# Altium PCB RPIadaptor1.PcbDoc (part 2 of 2)
Units mm, origin at the board's own origin, x right, y up, seen from the top; angles counter-clockwise.
Board outline 106 x 56 mm, 4 copper layers (Top Layer, Ground, 3V3P, Bottom Layer), stack 1.578 mm thick; 78 components, 84 nets, 535 pads, 369 vias.
Unrouted connection lines stored in the file: 8.
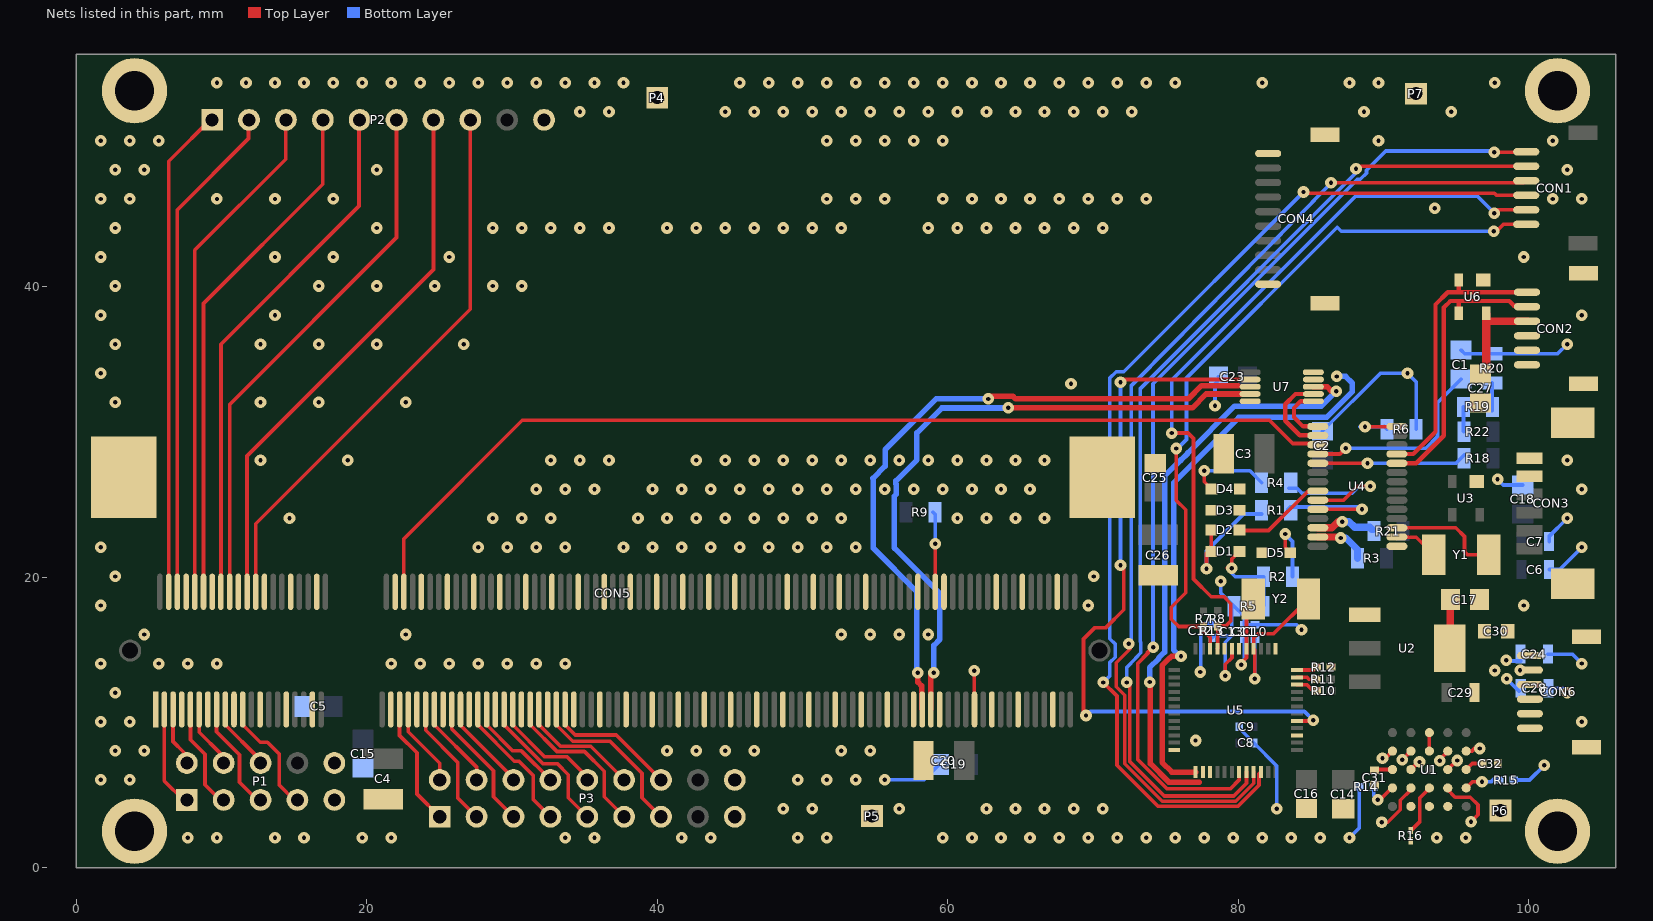
[diagram p4: the nets of this part, all layers, seen from the top]

## Via types
v1: diameter 0.8, hole 0.3, Top Layer to Bottom Layer, 369 vias

## Nets (pads, with @x,y where several pads share a name; then routed paths per layer and width w, separated by ;. In a path a pad name is that pad's centre, name@x,y a point inside that pad or via, vN(x,y) a via of type N, cw(c..) or ccw(c..) an arc to the next point about the centre after c; other vN are vias at no path point) (continued)
GND: C1.2 C2.2 C3.2 C4.2 C5.2 C6.1 C7.1 C8.2 C9.2 C10.2 C11.2 C12.2 C13.2 C14.1 C15.2 C16.2 C17.2 C18.2 C19.2 C20.2 C23.1 C24.1 C25.2 C26.2 C27.2 C28.1 C29.1 C30.1 C31.1 C32.1 CON2.4 CON2.5 CON2.6 CON2.GND CON3.5 CON3.6 CON3.GND CON4.10 CON4.GND CON5.1 CON5.7 CON5.8 CON5.13 CON5.14 CON5.19 CON5.20 CON5.25 CON5.26 CON5.31 CON5.32 CON5.37 CON5.38 CON5.43 CON5.44 CON5.49 CON5.50 CON5.55 CON5.56 CON5.61 CON5.62 CON5.67 CON5.68 CON5.73 CON5.74 CON5.79 CON5.80 CON5.85 CON5.86 CON5.91 CON5.92 CON5.97 CON5.98 CON5.103 CON5.104 CON5.109 CON5.110 CON5.115 CON5.116 CON5.121 CON5.122 CON5.127 CON5.133 CON5.134 CON5.139 CON5.140 CON5.145 CON5.146 CON5.151 CON5.152 CON5.157 CON5.163 CON5.164 CON5.169 CON5.170 CON5.181 CON5.182 CON5.187 CON5.188 CON5.195 CON5.196 CON5.GND CON6.4 CON6.5 CON6.6 CON6.GND D5.2 P1.9 P1.10 P2.10 P3.17 P3.18 P4.1 P5.1 P6.1 P7.1 pad.MH1 R5.2 R6.2 R12.1 R14.2 R15.2 R16.2 R20.2 U1.B5 U1.C1 U1.C2 U1.C5 U1.D5 U2.3 U3.1 U4.1 U5.1 U5.6 U5.8 U5.24 U5.27 U5.39 U6.1 U7.5 U7.10 | length 62.9
  Top Layer w0.254: U1.C2@93.175,8.02 U1.C1@93.175,9.29
  Bottom Layer w0.254: v1(55.675,6.05) 58.388,6.05 C19.2@59.447,7.109 ; v1(77.4,13.467) 77.425,13.492 C12.2@77.425,16.05 ; v1(78.418,31.8) 78.418,33.318 78.775,33.675 C23.1@78.65,33.8 ; v1(78.8,19.72) 78.8,18.927 R5.2@79.725,18.002 ; C13.2@79.575,16.475 79.575,17.852 R5.2@79.725,18.002 ; C9.2@80.077,9.7 80.077,9.597 C8.2@81.083,8.59 82.675,6.998 v1(82.675,4.05) ; v1(84.375,16.375) 84.017,16.733 C10.2@81.175,16.733 C11.2@80.425,16.733 80.425,17.302 R5.2@79.725,18.002 ; C2.2@85.805,30.051 89.804,34.05 v1(91.675,34.05) 92.266,33.459 R6.2@92.266,30.194 ; v1(87.675,2.05) 88.347,2.722 R14.2@88.347,5.565 ; C1.2@95.355,35.639 95.609,35.385 R20.2@97.514,35.385 102.01,35.385 v1(102.675,36.05) ; v1(97.875,26.747) 98.272,26.35 C18.2@99.61,26.35 ; R15.2@98.988,6.025 100.075,6.025 v1(101.1,7.05) ; C24.1@101.35,14.7 103.025,14.7 v1(103.675,14.05) ; C28.1@101.375,12.35 102.375,12.35 v1(102.675,12.05) ; C6.1@101.425,20.525 102.15,20.525 v1(103.675,22.05) ; C7.1@101.425,22.45 101.425,22.8 v1(102.675,24.05)
  other v1: 7.675,2.05 9.675,2.05 13.675,2.05 15.675,2.05 19.675,2.05 21.675,2.05 33.675,2.05 35.675,2.05 41.675,2.05 43.675,2.05 49.675,2.05 51.675,2.05 59.675,2.05 61.675,2.05 63.675,2.05 65.675,2.05 67.675,2.05 69.675,2.05 71.675,2.05 73.675,2.05 75.675,2.05 77.675,2.05 79.675,2.05 81.675,2.05 83.675,2.05 85.675,2.05 93.675,2.05 95.675,2.05 48.675,4.05 50.675,4.05 56.675,4.05 62.675,4.05 64.675,4.05 66.675,4.05 68.675,4.05 70.675,4.05 1.675,6.05 3.675,6.05 49.675,6.05 51.675,6.05 53.675,6.05 2.675,8.05 4.675,8.05 40.675,8.05 42.675,8.05 44.675,8.05 46.675,8.05 52.675,8.05 54.675,8.05 77.075,8.75 1.675,10.05 3.675,10.05 103.675,10.05 2.675,12.05 1.675,14.05 5.675,14.05 7.675,14.05 9.675,14.05 21.675,14.05 23.675,14.05 25.675,14.05 27.675,14.05 29.675,14.05 31.675,14.05 33.675,14.05 4.675,16.05 22.675,16.05 52.675,16.05 54.675,16.05 56.675,16.05 58.675,16.05 1.675,18.05 69.675,18.05 99.675,18.05 2.675,20.05 70.063,20.05 1.675,22.05 27.675,22.05 29.675,22.05 31.675,22.05 33.675,22.05 37.675,22.05 39.675,22.05 41.675,22.05 43.675,22.05 45.675,22.05 47.675,22.05 49.675,22.05 51.675,22.05 53.675,22.05 14.675,24.05 28.675,24.05 30.675,24.05 32.675,24.05 38.675,24.05 40.675,24.05 42.675,24.05 44.675,24.05 46.675,24.05 48.675,24.05 50.675,24.05 52.675,24.05 60.675,24.05 62.675,24.05 64.675,24.05 66.675,24.05 31.675,26.05 33.675,26.05 35.675,26.05 39.675,26.05 41.675,26.05 43.675,26.05 45.675,26.05 47.675,26.05 49.675,26.05 51.675,26.05 53.675,26.05 55.675,26.05 57.675,26.05 59.675,26.05 61.675,26.05 63.675,26.05 65.675,26.05 103.675,26.05 12.675,28.05 18.675,28.05 32.675,28.05 34.675,28.05 36.675,28.05 42.675,28.05 44.675,28.05 46.675,28.05 48.675,28.05 50.675,28.05 52.675,28.05 54.675,28.05 56.675,28.05 58.675,28.05 60.675,28.05 62.675,28.05 64.675,28.05 66.675,28.05 102.675,28.05 2.675,32.05 12.675,32.05 16.675,32.05 22.675,32.05 68.5,33.325 1.675,34.05 2.675,36.05 12.675,36.05 16.675,36.05 20.675,36.05 26.675,36.05 1.675,38.05 13.675,38.05 103.675,38.05 2.675,40.05 16.675,40.05 20.675,40.05 24.675,40.05 28.675,40.05 30.675,40.05 1.675,42.05 13.675,42.05 17.675,42.05 25.675,42.05 99.675,42.05 2.675,44.05 20.675,44.05 28.675,44.05 30.675,44.05 32.675,44.05 34.675,44.05 36.675,44.05 40.675,44.05 42.675,44.05 44.675,44.05 46.675,44.05 48.675,44.05 50.675,44.05 52.675,44.05 58.675,44.05 60.675,44.05 62.675,44.05 64.675,44.05 66.675,44.05 68.675,44.05 70.675,44.05 93.548,45.407 1.675,46.05 3.675,46.05 9.675,46.05 13.675,46.05 17.675,46.05 51.675,46.05 53.675,46.05 55.675,46.05 59.675,46.05 61.675,46.05 63.675,46.05 65.675,46.05 67.675,46.05 69.675,46.05 71.675,46.05 73.675,46.05 101.675,46.05 103.675,46.05 2.675,48.05 4.675,48.05 20.675,48.05 102.675,48.05 1.675,50.05 3.675,50.05 5.675,50.05 51.675,50.05 53.675,50.05 55.675,50.05 57.675,50.05 59.675,50.05 89.675,50.05 101.675,50.05 34.675,52.05 36.675,52.05 44.675,52.05 46.675,52.05 48.675,52.05 50.675,52.05 52.675,52.05 54.675,52.05 56.675,52.05 58.675,52.05 60.675,52.05 62.675,52.05 64.675,52.05 66.675,52.05 68.675,52.05 70.675,52.05 72.675,52.05 88.675,52.05 94.675,52.05 9.675,54.05 11.675,54.05 13.675,54.05 15.675,54.05 17.675,54.05 19.675,54.05 21.675,54.05 23.675,54.05 25.675,54.05 27.675,54.05 29.675,54.05 31.675,54.05 33.675,54.05 35.675,54.05 37.675,54.05 45.675,54.05 47.675,54.05 49.675,54.05 51.675,54.05 53.675,54.05 55.675,54.05 57.675,54.05 59.675,54.05 61.675,54.05 63.675,54.05 65.675,54.05 67.675,54.05 69.675,54.05 71.675,54.05 73.675,54.05 75.675,54.05 81.675,54.05 87.675,54.05 89.675,54.05 97.675,54.05
H2SW_N: U4.15 U7.6 | length 4.1
  Top Layer w0.3: U7.6@85.186,32.115 84.311,32.115 83.85,31.654 83.85,31.017 84.483,30.385 U4.15@85.493,30.385
H2SW_P: U4.16 U7.7 | length 6
  Top Layer w0.3: U7.7@85.186,32.615 83.963,32.615 83.25,31.903 83.25,30.768 84.251,29.767 85.1,29.767 85.118,29.75 U4.16@85.493,29.75
NetC1_1: C1.1 R19.1 R20.1 U4.18 | length 15.3
  Top Layer w0.254: U4.18@85.493,28.48 87.016,28.48 v1(87.407,28.871)
  Bottom Layer w0.254: v1@87.432,28.871 92.921,28.871 93.732,29.682 93.732,32.016 C1.1@95.355,33.639 ; R19.1@97.498,31.464 97.498,33.369 R20.1@97.514,33.385
NetC10_1: C10.1 U5.4 Y2.2 | length 10.4
  Top Layer w0.254: v1(81.15,13) 81.15,15.01 U5.4@81.08,15.08 81.08,15.805 81.371,16.096 82.446,16.096 Y2.2@84.85,18.5
  Bottom Layer w0.254: v1(81.15,13) 81.15,15.692 C10.1@81.175,15.717
NetC11_1: C11.1 U5.5 Y2.1 | length 6.7
  Top Layer w0.254: v1(80.234,13.956) 80.234,14.103 80.58,14.45 80.58,18.03 Y2.1@81.05,18.5
  Bottom Layer w0.254: v1(80.234,13.956) 80.234,14.138 80.425,14.33 C11.1@80.425,15.717
NetC12_1: C12.1 R13.2 | length 0.9
  Bottom Layer w0.254: C12.1@77.425,16.55 77.7,16.825 R13.2@78.211,16.825
NetC13_1: C13.1 R13.1 U5.7 | length 6.4
  Top Layer w0.254: v1(79.125,13.208) 79.125,13.998 79.58,14.453 U5.7@79.58,15.08
  Bottom Layer w0.254: R13.1@78.211,15.825 78.361,15.975 C13.1@79.575,15.975 79.125,15.525 v1(79.125,13.208)
NetC17_1: C17.1 U2.4 | length 3.4
  Top Layer w0.254: U2.4@94.575,15.1 U2.4@94.625,15.15
  Top Layer w0.5: U2.4@94.625,15.15 C17.1@94.625,18.45
NetC27_1: C27.1 CON2.3 U6.4 | length 7.1
  Top Layer w0.254: C27.1@96.7,34 C27.1@97.1,34.4
  Top Layer w0.5: 97.175,37.625 CON2.3@99.95,37.625
  Top Layer w0.6: C27.1@97.1,34.4 U6.4@97.1,38.15
NetCON1_1: CON1.1 U5.31 | length 67.5
  Top Layer w0.254: v1(74.15,15.183) 74.108,15.183 73.75,14.825 73.8,14.775 73.104,14.079 73.104,7.421 75.1,5.425 79.475,5.425 80.075,6.025 80.075,6.575 U5.31@80.08,6.58 ; v1(97.654,49.275) 99.825,49.275 CON1.1@99.85,49.3
  Bottom Layer w0.254: v1(74.15,15.183) 74.15,33.325 88.223,47.398 88.426,47.398 88.852,47.824 88.852,48.027 90.175,49.35 97.579,49.35 v1(97.654,49.275)
NetCON1_2: CON1.2 U5.32 | length 69.5
  Top Layer w0.254: v1(72.345,12.75) 72.548,12.547 72.548,7.302 74.921,4.929 79.704,4.929 80.58,5.805 U5.32@80.58,6.58 ; v1(88.125,48.125) 88.3,48.3 CON1.2@99.85,48.3
  Bottom Layer w0.254: v1(72.345,12.75) 72.345,13.801 72.952,14.408 72.952,14.433 73.306,14.787 73.306,15.526 73.275,15.557 73.275,32.996 88.125,47.846 v1(88.125,48.125) v1@88.125,48.225
NetCON1_3: CON1.3 U5.33 | length 71.2
  Top Layer w0.254: v1(72.475,15.425) 72.475,15.168 72.579,15.063 71.618,14.102 71.618,12.449 72.194,11.873 72.194,7.155 74.774,4.575 79.851,4.575 81.08,5.804 U5.33@81.08,6.58 ; v1(86.404,47.175) 99.675,47.175 99.725,47.225 99.75,47.2 CON1.3@99.85,47.3
  Bottom Layer w0.254: v1(72.475,15.425) 72.636,15.586 72.636,33.174 72.829,33.368 v1@86.428,47.151
NetCON1_4: CON1.4 U5.34 | length 74.1
  Top Layer w0.254: v1(70.725,12.75) 71.659,11.816 71.659,7.043 74.48,4.221 79.997,4.221 81.447,5.671 81.447,6.447 U5.34@81.58,6.58 ; v1(84.509,46.525) 84.586,46.448 97.656,46.448 97.804,46.3 CON1.4@99.85,46.3
  Bottom Layer w0.254: v1(70.725,12.75) 71.173,13.198 71.173,14.123 71.539,14.489 71.539,15.391 71.173,15.757 71.173,33.717 71.608,34.152 72.136,34.152 v1(84.509,46.525)
NetCON4_1: CON4.1 CON5.177 | length 2.7
  Top Layer w0.254: v1(61.825,13.55) 61.825,10.917 CON5.177@61.85,10.892
NetCON5_3: CON5.3 P1.1 | length 6.8
  Top Layer w0.254: CON5.3@6.05,10.89 6.05,5.97 P1.1@7.385,4.635
NetCON5_4: CON5.4 P2.1 | length 34
  Top Layer w0.254: CON5.4@6.35,18.99 6.35,48.65 P2.1@9.432,51.733
NetCON5_5: CON5.5 P1.2 | length 4
  Top Layer w0.254: CON5.5@6.65,10.89 6.65,8.675 7.385,7.94 P1.2@7.385,7.175
NetCON5_6: CON5.6 P2.2 | length 34.6
  Top Layer w0.254: CON5.6@6.95,18.99 6.95,45.3 11.855,50.205 P2.2@11.855,51.53
NetCON5_9: CON5.9 P1.3 | length 7.2
  Top Layer w0.254: CON5.9@7.85,10.89 7.85,8.8 8.85,7.8 8.85,5.71 P1.3@10.02,4.54
NetCON5_10: CON5.10 P2.3 | length 35.1
  Top Layer w0.254: CON5.10@8.15,18.99 8.15,42.525 14.413,48.788 P2.3@14.413,51.513
NetCON5_11: CON5.11 P1.4 | length 4.3
  Top Layer w0.254: CON5.11@8.45,10.89 8.45,9.325 9.925,7.85 P1.4@9.925,7.175
NetCON5_12: CON5.12 P2.4 | length 35.9
  Top Layer w0.254: CON5.12@8.75,18.99 8.75,38.85 16.965,47.065 P2.4@16.965,51.5
NetCON5_15: CON5.15 P1.5 | length 7.4
  Top Layer w0.254: CON5.15@9.65,10.89 9.65,9.35 11.225,7.775 11.225,5.875 P1.5@12.465,4.635
NetCON5_16: CON5.16 P2.5 | length 36.5
  Top Layer w0.254: CON5.16@9.95,18.99 9.95,36.05 19.465,45.565 P2.5@19.465,51.54
NetCON5_17: CON5.17 P1.6 | length 4.6
  Top Layer w0.254: CON5.17@10.25,10.89 10.25,9.83 12.465,7.615 P1.6@12.465,7.175
NetCON5_18: CON5.18 P2.6 | length 37.3
  Top Layer w0.254: CON5.18@10.55,18.99 10.55,31.9 22.045,43.395 P2.6@22.045,51.5
NetCON5_21: CON5.21 P1.7 | length 8
  Top Layer w0.254: CON5.21@11.45,10.89 11.45,9.83 12.655,8.625 13.15,8.625 13.975,7.8 13.975,5.665 P1.7@15.005,4.635
NetCON5_22: CON5.22 P2.7 | length 37.8
  Top Layer w0.254: CON5.22@11.75,18.99 11.75,28.35 24.585,41.185 P2.7@24.585,51.5
NetCON5_24: CON5.24 P2.8 | length 38.6
  Top Layer w0.254: CON5.24@12.35,18.99 12.35,23.675 27.125,38.45 P2.8@27.125,51.5
NetCON5_45: CON5.45 P3.1 | length 8.5
  Top Layer w0.254: CON5.45@22.25,10.89 22.25,9.1 23.45,7.9 23.45,5.07 P3.1@25.02,3.5
NetCON5_46: CON5.46 U4.17 | length 70.7
  Top Layer w0.254: CON5.46@22.55,18.99 22.55,22.65 30.7,30.8 82.175,30.8 83.77,29.205 84.935,29.205 84.967,29.238 85.37,29.238 U4.17@85.493,29.115
NetCON5_47: CON5.47 P3.2 | length 5.7
  Top Layer w0.254: CON5.47@22.85,10.89 22.85,9.35 25.02,7.18 P3.2@25.02,6.04
NetCON5_51: CON5.51 P3.3 | length 8.8
  Top Layer w0.254: CON5.51@24.05,10.89 24.05,9.45 26.25,7.25 26.25,4.81 P3.3@27.56,3.5
NetCON5_53: CON5.53 P3.4 | length 6.1
  Top Layer w0.254: CON5.53@24.65,10.89 24.65,9.83 27.56,6.92 P3.4@27.56,6.04
NetCON5_57: CON5.57 P3.5 | length 9.2
  Top Layer w0.254: CON5.57@25.85,10.89 25.85,9.55 28.725,6.675 28.725,4.875 P3.5@30.1,3.5
NetCON5_59: CON5.59 P3.6 | length 6.4
  Top Layer w0.254: CON5.59@26.45,10.89 26.45,9.796 30.1,6.146 P3.6@30.1,6.04
NetCON5_63: CON5.63 P3.7 | length 9.6
  Top Layer w0.254: CON5.63@27.65,10.89 27.65,9.83 30.155,7.325 30.475,7.325 31.453,6.347 31.453,4.687 P3.7@32.64,3.5
NetCON5_65: CON5.65 P3.8 | length 7
  Top Layer w0.254: CON5.65@28.25,10.89 28.25,9.83 30.044,8.036 30.644,8.036 P3.8@32.64,6.04
NetCON5_69: CON5.69 P3.9 | length 10.3
  Top Layer w0.254: CON5.69@29.45,10.89 29.45,9.83 32.13,7.15 33.125,7.15 33.875,6.4 33.875,4.805 P3.9@35.18,3.5
NetCON5_71: CON5.71 P3.10 | length 7.9
  Top Layer w0.254: CON5.71@30.05,10.89 30.05,9.83 32.241,7.639 33.786,7.639 35.18,6.245 P3.10@35.18,6.04
NetCON5_75: CON5.75 P3.11 | length 11.2
  Top Layer w0.254: CON5.75@31.25,10.89 31.25,9.83 33.087,7.993 34.982,7.993 36.35,6.625 36.35,4.87 P3.11@37.72,3.5
NetCON5_77: CON5.77 P3.12 | length 8.5
  Top Layer w0.254: CON5.77@31.85,10.89 31.85,9.83 33.333,8.347 35.413,8.347 P3.12@37.72,6.04
NetCON5_81: CON5.81 P3.13 | length 11.9
  Top Layer w0.254: CON5.81@33.05,10.89 33.05,9.83 34.179,8.701 36.749,8.701 38.95,6.5 38.95,4.81 P3.13@40.26,3.5
NetCON5_83: CON5.83 P3.14 | length 9.2
  Top Layer w0.254: CON5.83@33.65,10.89 33.65,9.83 34.355,9.125 37.175,9.125 P3.14@40.26,6.04
NetCON5_168: CON5.168 R9.2 | length 5.6
  Top Layer w0.254: CON5.168@59.15,18.99 v1(59.15,22.305)
  Bottom Layer w0.254: R9.2@58.992,24.479 59.15,24.321 v1(59.15,22.305)
NetD1_1: D1.1 D2.2 R1.2 | length 8.9
  Top Layer w0.254: v1(77.825,20.575) 77.825,21.625 77.904,21.546 78.154,21.796 D2.2@78.154,23.086
  Bottom Layer w0.254: v1(77.825,20.575) 77.825,21.8 80.377,24.352 R1.2@81.63,24.352
NetD1_2: D1.2 D2.1 D3.2 D4.1 R2.1 R5.1 U4.22 | length 13
  Top Layer w0.254: v1(79.575,20.625) 79.25,20.625 79.575,20.95 79.575,21.25 D1.2@80.1,21.775 ; D2.1@80.1,23.209 82.107,23.209 84.779,25.881 85.435,25.881 U4.22@85.493,25.94
  Bottom Layer w0.254: v1(79.575,20.625) 79.575,20.275 79.816,20.034 R2.1@81.757,20.034 81.757,18.034 R5.1@81.725,18.002
NetD3_1: D3.1 D4.2 R4.2 | length 6
  Top Layer w0.254: v1(77.675,27.325) 77.675,26.575 D4.2@78.175,26.075 ; D4.2@78.154,26.134 D4.2@78.381,26.134
  Bottom Layer w0.254: v1(77.675,27.325) 80.816,27.325 R4.2@81.63,26.511
NetD5_1: D5.1 R2.2 | length 4.6
  Top Layer w0.254: v1(83.249,22.971) 83.249,22.041 D5.1@83.605,21.685
  Bottom Layer w0.254: v1(83.249,22.971) 83.757,22.463 R2.2@83.757,20.034
NetR1_1: R1.1 U4.24 | length 8.3
  Top Layer w0.254: U4.24@85.493,24.67 v1(88.535,24.67)
  Bottom Layer w0.254: R1.1@83.439,24.67 83.607,24.837 88.368,24.837 v1(88.535,24.67)
NetR3_1: R3.1 U4.27 | length 3.7
  Top Layer w0.254: v1@86.76,22.765 87.01,22.765 v1(87.075,22.7)
  Top Layer w0.5: U4.27@85.493,22.765 v1@86.76,22.765
  Bottom Layer w0.5: v1(87.075,22.7) 87.435,22.7 88.234,21.901 R3.1@88.234,21.304
NetR4_1: R4.1 U4.23 | length 9.9
  Top Layer w0.254: U4.23@85.493,25.305 87.265,25.305 88.218,26.257 v1(89.107,26.257)
  Bottom Layer w0.254: R4.1@83.511,26.122 84.054,26.122 84.401,25.775 87.863,25.775 88.345,26.257 v1(89.107,26.257)
NetR6_1: R6.1 U4.14 | length 4.2
  Top Layer w0.254: v1(88.743,30.355) 90.914,30.355 U4.14@90.943,30.385
  Bottom Layer w0.254: v1@88.379,30.355 v1(88.743,30.355) 90.046,30.355 90.076,30.385 R6.1@90.266,30.194
NetR10_2: R10.2 U5.46 | length 1.5
  Top Layer w0.254: U5.46@84.06,12.6 84.725,12.6 85.15,12.175 R10.2@85.4,12.175
NetR11_2: R11.2 U5.47 | length 1.4
  Top Layer w0.254: U5.47@84.06,13.1 84.754,13.1 84.879,12.975 R11.2@85.375,12.975
NetR12_2: R12.2 U5.48 | length 1.4
  Top Layer w0.254: U5.48@84.06,13.6 85.191,13.6 R12.2@85.4,13.809
NetR14_1: R14.1 U1.E4 | length 2.3
  Top Layer w0.254: v1(89.625,4.675) 89.775,4.675 90.58,5.48 U1.E4@90.635,5.48
  Bottom Layer w0.254: R14.1@89.347,5.565 89.347,4.953 v1(89.625,4.675)
NetR15_1: R15.1 U1.A4 | length 2.6
  Top Layer w0.254: U1.A4@95.715,5.48 96.143,5.907 96.15,5.9 v1(96.805,5.9)
  Bottom Layer w0.254: v1(96.805,5.9) 97.425,5.9 97.65,6.125 R15.1@98.023,6.125
NetR16_1: R16.1 U1.C4 | length 3.5
  Top Layer w0.254: R16.1@91.905,2.552 92.525,3.172 92.525,4.8 93.175,5.45 U1.C4@93.175,5.48
NetR18_1: R18.1 U4.19 | length 10.3
  Top Layer w0.254: U4.19@85.493,27.845 v1(88.916,27.845)
  Bottom Layer w0.254: v1@88.942,27.845 95.02,27.845 R18.1@95.6,28.425
NetR19_2: R19.2 R22.1 | length 1.7
  Bottom Layer w0.254: R19.2@95.525,31.725 95.525,30.05 R22.1@95.55,30.025
NetR21_1: R21.1 U4.26 | length 4.3
  Top Layer w0.5: U4.26@85.493,23.4 86.474,23.4 86.9,23.825 v1(87.175,23.825)
  Bottom Layer w0.254: R21.1@89.218,23.307 R21.1@89.35,23.175
  Bottom Layer w0.5: v1(87.175,23.825) 87.65,23.825 88.045,23.43 89.095,23.43 R21.1@89.218,23.307
NetU4_2: U4.2 Y1.2 | length 3
  Top Layer w0.254: U4.2@90.943,22.765 90.939,22.76 90.949,22.75 92.267,22.75 Y1.2@93.475,21.542
NetU4_3: U4.3 Y1.1 | length 7.7
  Top Layer w0.254: U4.3@90.943,23.4 95,23.4 95.6,22.8 95.6,21.75 95.808,21.542 Y1.1@97.275,21.542
NODE2H_N: CON2.2 U4.10 U6.3 | length 19.4
  Top Layer w0.3: U4.10@90.943,27.845 92.281,27.845 94.175,29.738 94.175,38.575 94.625,39.025 95.2,39.025 ; U6.3@95.2,38.175 95.2,39.025 ; CON2.2@99.6,38.7 99,38.7 98.675,39.025 95.2,39.025
NODE2H_P: CON2.1 U4.11 U6.2 | length 19.6
  Top Layer w0.3: U4.11@90.943,28.48 92.067,28.48 93.6,30.012 93.6,38.775 94.45,39.625 95.2,39.625 ; U6.2@95.2,40.475 95.2,39.625 ; CON2.1@99.9,39.625 95.2,39.625
PG1: pad.2@89.9,3.125 U1.D4 | length 3.4
  Top Layer w0.254: pad.2@89.9,3.125 90.319,3.125 91.177,3.983 91.177,4.637 91.905,5.365 U1.D4@91.905,5.48
PG2: pad.2@96.046,3.15 U1.B4 | length 4
  Top Layer w0.254: U1.B4@94.445,5.48 94.445,5.355 94.95,4.85 96,4.85 96.525,4.325 96.525,3.629 pad.2@96.046,3.15
PROG#: CON1.6 R7.1 U5.10 | length 49.8
  Top Layer w0.254: v1(75.75,28.86) 75.75,25.287 76.4,24.637 76.4,18.925 75.406,17.931 75.406,17.103 75.909,16.6 77.6,16.6 R7.1@77.625,16.625 77.625,16.296 78.08,15.841 U5.10@78.08,15.08 ; v1(97.618,43.825) 97.8,43.825 98.275,44.3 CON1.6@99.85,44.3
  Bottom Layer w0.254: v1(75.75,28.86) 75.835,28.86 76.45,29.475 76.45,33.715 86.835,44.1 87.11,43.825 v1(97.618,43.825)
RESET#: CON1.5 R8.1 U5.9 | length 52.1
  Top Layer w0.254: v1(75.425,29.925) 76.558,29.925 76.934,29.549 76.934,19.874 78.157,18.65 79.03,18.65 79.507,18.173 79.507,16.982 79.156,16.631 R8.1@78.6,16.631 ; U5.9@78.58,15.08 78.607,15.107 R8.1@78.607,16.4 ; v1(97.654,45.075) 97.879,45.3 CON1.5@99.85,45.3
  Bottom Layer w0.254: v1(75.425,29.925) 75.425,33.567 88.087,46.229 96.5,46.229 v1(97.654,45.075)
RPI2SW_N: CON5.167 U7.4 | length 45.3
  Top Layer w0.381: CON5.167@58.85,10.892 58.85,13.225 v1(59.05,13.425) ; v1(64.175,31.662) 76.856,31.662 77.809,32.615 U7.4@80.836,32.615
  Bottom Layer w0.381: v1(59.05,13.425) 59.05,15.307 59.465,15.723 59.465,18.872 56.329,22.009 56.329,25.586 56.465,25.723 56.465,26.402 56.441,26.427 56.441,26.625 57.884,28.069 57.884,29.934 59.6,31.65 v1@64.175,31.65
RPI2SW_P: CON5.165 U7.3 | length 45.9
  Top Layer w0.381: v1(57.95,13.425) 57.95,12.775 58.215,12.51 CON5.165@58.215,10.927 ; v1(62.8,32.275) 62.978,32.453 64.502,32.453 64.68,32.275 76.571,32.275 77.493,33.198 80.022,33.198
  Bottom Layer w0.381: v1(57.95,13.425) 57.884,13.491 57.884,18.991 54.884,21.991 54.884,26.766 54.85,26.8 55.7,27.65 55.7,28.775 59.2,32.275 v1(62.8,32.275)
Select: U5.41 U7.2 | length 50.9
  Top Layer w0.254: v1(69.529,10.472) 69.361,10.64 69.361,15.736 70.15,16.525 70.902,16.525 72.125,17.748 v1@72.125,20.8 ; v1@72.091,33.425 v1(71.909,33.425) 72.099,33.615 U7.2@80.836,33.615 ; U5.41@84.06,10.1 85.125,10.1 v1(85.175,10.15)
  Bottom Layer w0.254: v1(69.529,10.472) 69.811,10.754 84.571,10.754 v1(85.175,10.15) ; v1(71.909,20.825) v1(71.909,33.425)
SW2SW_N: U5.26 U7.8 | length 40.1
  Top Layer w0.381: v1(73.917,12.775) 73.96,12.733 73.96,7.16 75.23,5.889 77.34,5.889 ; U7.8@85.186,33.115 85.195,33.106 86.152,33.106 86.454,32.804 v1(86.76,32.804)
  Bottom Layer w0.381: v1(73.917,12.775) 73.917,13.771 74.552,14.405 74.534,14.423 74.95,14.838 74.95,26.963 76.056,28.07 76.077,28.07 76.541,28.533 76.541,28.554 79.762,31.775 85.732,31.775 v1(86.76,32.804)
SW2SW_P: U5.25 U7.9 | length 39.8
  Top Layer w0.381: v1(76.075,14.55) 75.419,14.55 75.325,14.456 74.775,13.906 74.775,7.242 75.437,6.58 U5.25@77.08,6.58
  Bottom Layer w0.381: v1(76.075,14.55) 75.993,14.55 75.559,14.984 75.559,26.497 80.062,31 86.1,31 87.879,32.779 87.879,33.356 87.41,33.825 v1(86.795,33.825)
T1SS1: C31.2 U1.E3 | length 1.2
  Top Layer w0.254: C31.2@89.405,6.708 89.447,6.75 U1.E3@90.635,6.75
T1SS2: C32.2 U1.A3 | length 1.3
  Top Layer w0.254: U1.A3@95.715,6.75 96.127,7.162 C32.2@96.867,7.162
UNREG: C24.2 C28.2 C30.2 CON6.1 CON6.2 CON6.3 U1.A2 U1.B2 U1.B3 U1.D2 U1.D3 U1.E2 | length 7.6
  Top Layer w0.254: v1(89.95,7.535) 90.15,7.535 U1.E2@90.635,8.02 ; v1(91.304,7.419) U1.D2@91.905,8.02 ; U1.D3@91.905,6.75 91.905,6.755 92.425,7.275 v1(92.497,7.275) ; v1(93.9,7.35) 93.9,7.45 94.445,7.995 U1.B2@94.445,8.02 ; U1.B3@94.445,6.75 95.068,7.373 v1(95.104,7.373) ; U1.A2@95.715,8.02 96.11,8.02 96.29,8.2 v1(96.65,8.2)
  Bottom Layer w0.254: v1(98.471,14.275) 98.519,14.227 C24.2@99.472,14.227 ; v1(98.496,13) C28.2@99.345,12.151
  other v1: 97.675,13.575 99.425,13.584
pads on no net: CON1.GND CON4.2 CON4.3 CON4.4 CON4.5 CON4.6 CON4.7 CON4.8 CON4.9 CON5.2 CON5.23 CON5.27 CON5.28 CON5.29 CON5.30 CON5.33 CON5.34 CON5.35 CON5.36 CON5.48 CON5.52 CON5.54 CON5.58 CON5.60 CON5.64 CON5.66 CON5.70 CON5.72 CON5.76 CON5.78 CON5.82 CON5.84 CON5.87 CON5.88 CON5.89 CON5.90 CON5.93 CON5.94 CON5.95 CON5.96 CON5.99 CON5.100 CON5.101 CON5.102 CON5.105 CON5.106 CON5.107 CON5.108 CON5.111 CON5.112 CON5.113 CON5.114 CON5.117 CON5.118 CON5.119 CON5.120 CON5.123 CON5.124 CON5.125 CON5.126 CON5.128 CON5.129 CON5.130 CON5.131 CON5.132 CON5.135 CON5.136 CON5.137 CON5.138 CON5.141 CON5.142 CON5.143 CON5.144 CON5.147 CON5.148 CON5.149 CON5.150 CON5.153 CON5.154 CON5.155 CON5.156 CON5.158 CON5.159 CON5.160 CON5.161 CON5.162 CON5.166 CON5.171 CON5.172 CON5.173 CON5.174 CON5.175 CON5.176 CON5.178 CON5.179 CON5.180 CON5.189 CON5.190 CON5.SODIMM_MH1 CON5.SODIMM_MH2 U1.A5 U1.C3 U1.E5 U4.4 U4.5 U4.6 U4.7 U4.12 U4.13 U4.20 U4.25 U4.28 U5.11 U5.12 U5.13 U5.14 U5.15 U5.16 U5.18 U5.19 U5.20 U5.21 U5.22 U5.23 U5.28 U5.29 U5.35 U5.36 U5.37 U5.38 U5.42 U5.43 U5.44 U5.45
copper on no net: | length 0.1
  Top Layer w0.254: 14.951,10.989 15.05,10.89

## Polygon pours and split planes (outlines as drawn)
5VP on Bottom Layer "Bottom Layer" (solid, remove dead copper, pour order 2): 1.117,54.848 105.117,54.848 105.117,0.848 1.117,0.848
GND on Top Layer "Top Layer-GND" (solid, pour order 4): 105.091,54.833 1.116,54.833 1.091,54.808 1.091,0.858 105.116,0.858
GND on Ground (split plane): 105.49,0.51 0.51,0.51 0.51,55.49 105.49,55.49
3V3P on 3V3P (split plane): 105.49,0.51 0.51,0.51 0.51,55.49 105.49,55.49

## Keep-outs
Keep-Out Layer:
  the board outline again, w0.1

## Other copper
Top Layer:
  rectangle net 3V3P: 17.625,9.635 20.575,20.075
  rectangle net NetD1_2: 79.824,21.268 80.379,26.47
  rectangle net NetD3_1: 77.847,24.308 78.425,26.436
  rectangle net NetD1_1: 77.889,21.45 78.391,23.467
  rectangle net 3V3P: 19.8,6.975 20.52,10.175
  region net UNREG: 98.1,16.825 98.1,14.85 99.25,14.85 99.253,14.853 99.253,16.825
  region net 5VP: 94.025,12.7 94.022,12.697 94.022,10.425 95.05,10.425 95.05,12.7
  region net 5VP: 96.25,10.824 96.29,10.824 96.29,8.85 96.234,8.794 94.1,8.794 94.1,10.824
  region net 1V8P: 89.8,15.6 89.8,14.622 89.778,14.6 84.05,14.6 84.025,14.625 84.025,15.55
  region net 3V3P: 92.45,10.45 92.45,8.754 87.618,8.754 87.608,8.765 87.608,13.35 87.638,13.32 89.975,13.32 89.975,10.458 89.967,10.45
  region net GND: 92.673,10.775
  region net UNREG: 101.2,15.045 101.225,15.02 101.225,12.15 97.504,12.15 97.504,15.045
Bottom Layer:
  rectangle net 1V8P: 62.654,5.912 65.352,22.6
  rectangle net NetC1_1: 94.72,33.3 98.276,33.95
  rectangle: 25.35,48.2 50.35,49.2
  region: 5.271,18.51 5.271,43.51 4.271,43.51 4.271,18.51
  region: 9.986,18.51 9.986,43.51 8.986,43.51 8.986,18.51
  rectangle: 25.325,45.3 50.325,46.3
  rectangle: 25.375,19.625 50.375,20.625
  rectangle: 25.425,16.375 50.425,17.375
  region net GND: 84.65,16.475
  region net 1V8P: 84.025,15.687 84.025,14.48 84.03,14.475 87.263,14.475 87.3,14.512 87.3,15.775
  region net UNREG: 93.85,7.25
  region net UNREG: 98,7.725
  region net UNREG: 100.1,8.9 100.132,8.868 100.132,6.512 89.45,6.512 89.45,8.475 96.9,8.475 96.9,8.95
  region net UNREG: 99.99,15.825 96.9,15.825 96.9,8.95 96.85,8.9 100.1,8.9

## Silkscreen, mask and mechanical layers (free items; w line width, h text height)
Drill Guide:
  rectangle: 65.866,12.414 74.375,13.453
  region: 94.025,12.688 94.037,12.7 94.875,12.7 94.875,10.825 94.1,10.825

## Text inside footprints (layer, text, board x,y; h text height)
P1: Top Overlay "2" at 5.19,6.5 h0.7; Top Overlay "1" at 5.365,4.15 h0.7; Top Overlay "9" at 18.265,1.875 h1; Top Overlay "10" at 17.815,8.925 h0.6
P3: Top Overlay "2" at 23.9,7.95 h0.7; Top Overlay "1" at 23.025,1.45 h0.7; Top Overlay "17" at 47.372,2.992 h0.7; Top Overlay "18" at 47.372,5.532 h0.7